# Altium PCB module_base.PcbDoc (part 1 of 4)
Units mil, origin at the board's own origin, x right, y up, seen from the top; angles counter-clockwise.
Board outline 3464.57 x 2795.28 mil, 4 copper layers (Top Layer, L2_GND, L3_PWR, Bottom Layer), stack 61.811 mil thick; 147 components, 144 nets, 753 pads, 600 vias.
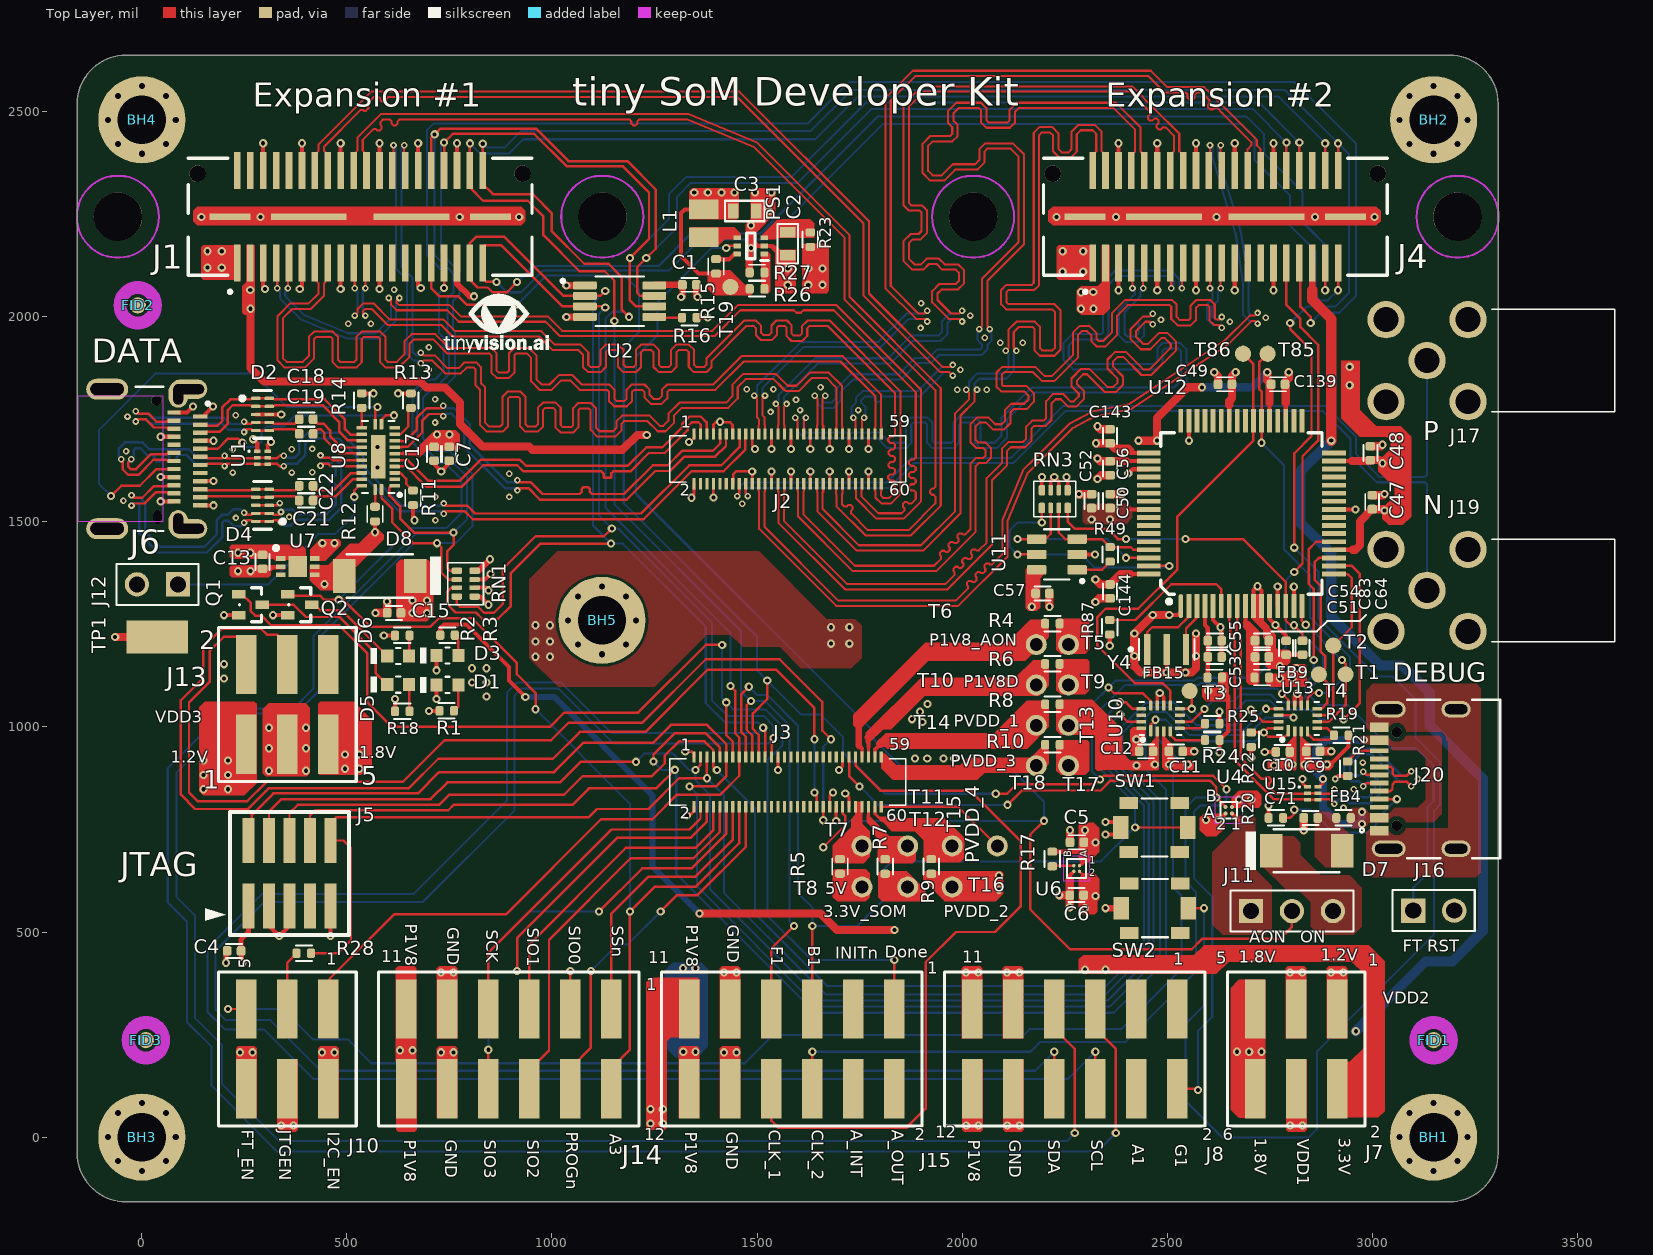
[diagram p0: Top Layer view]
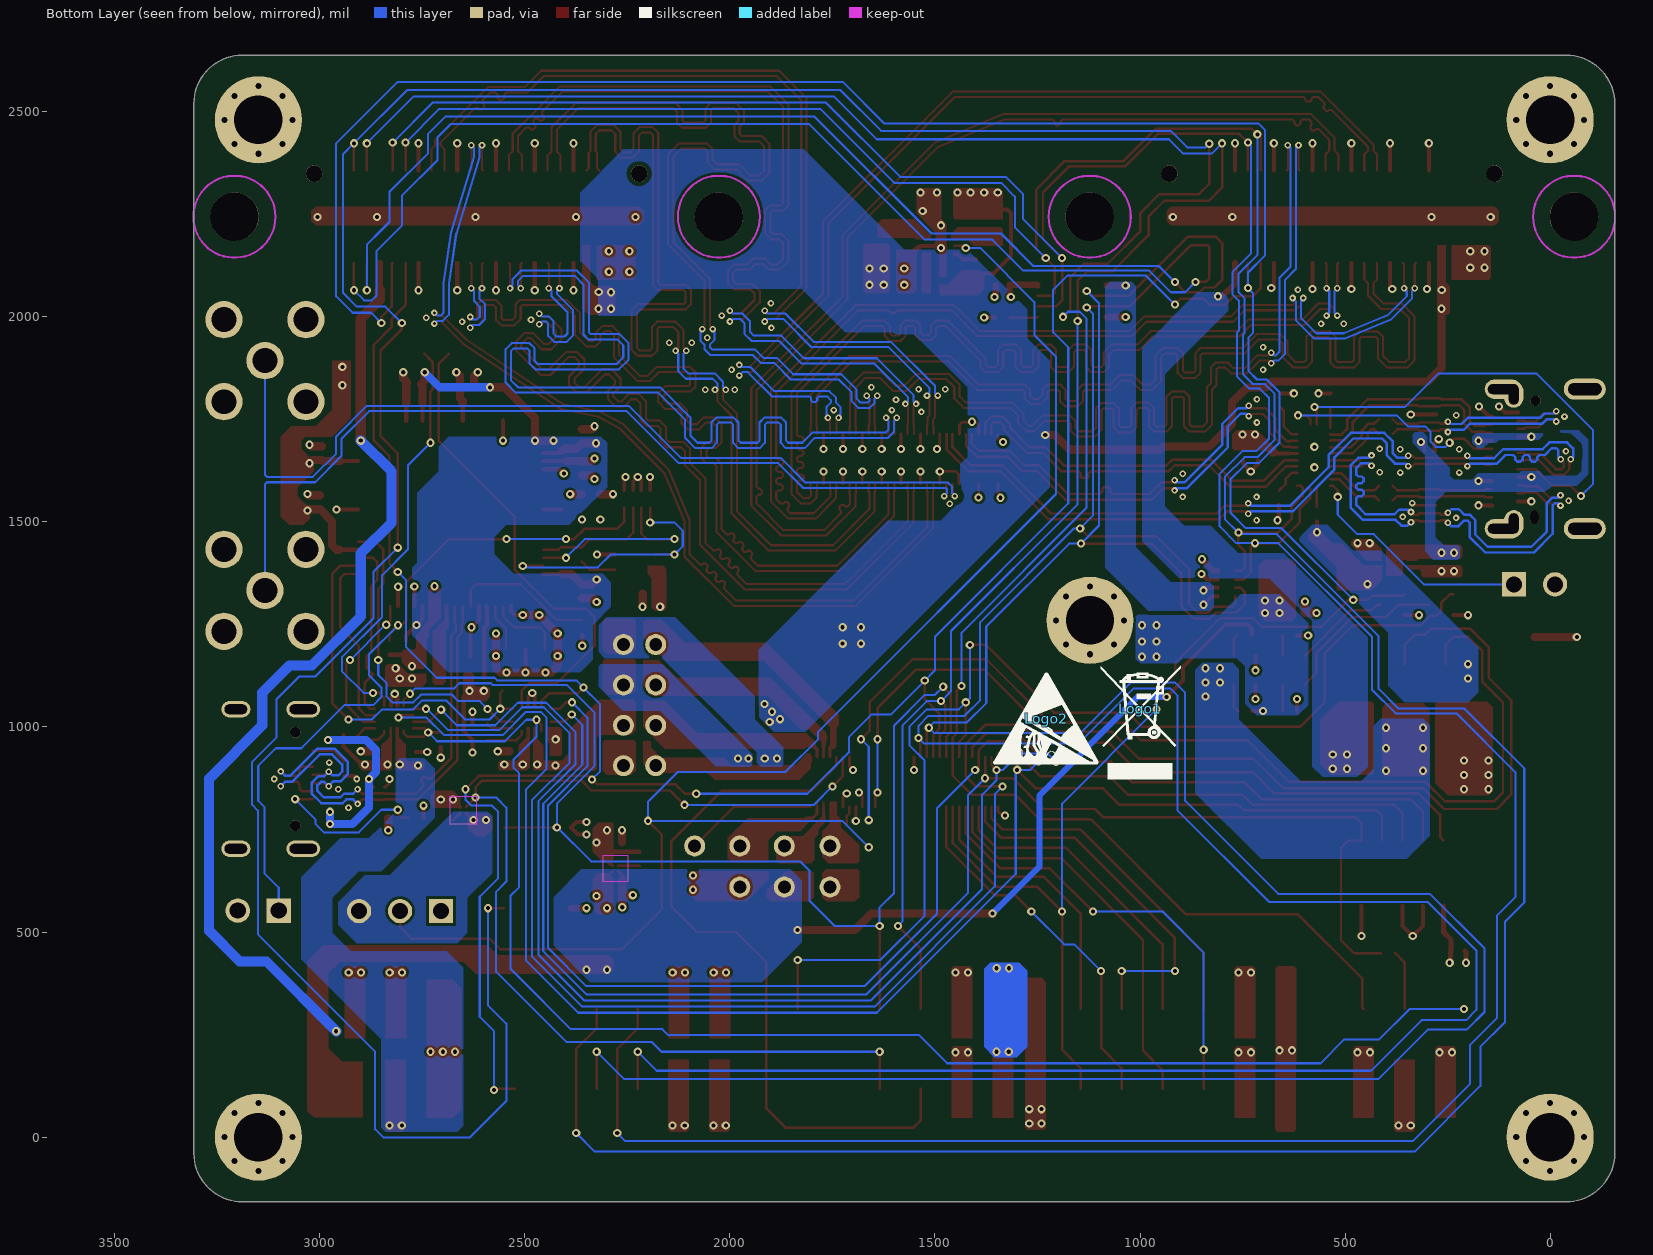
[diagram p1: Bottom Layer view, seen from below]
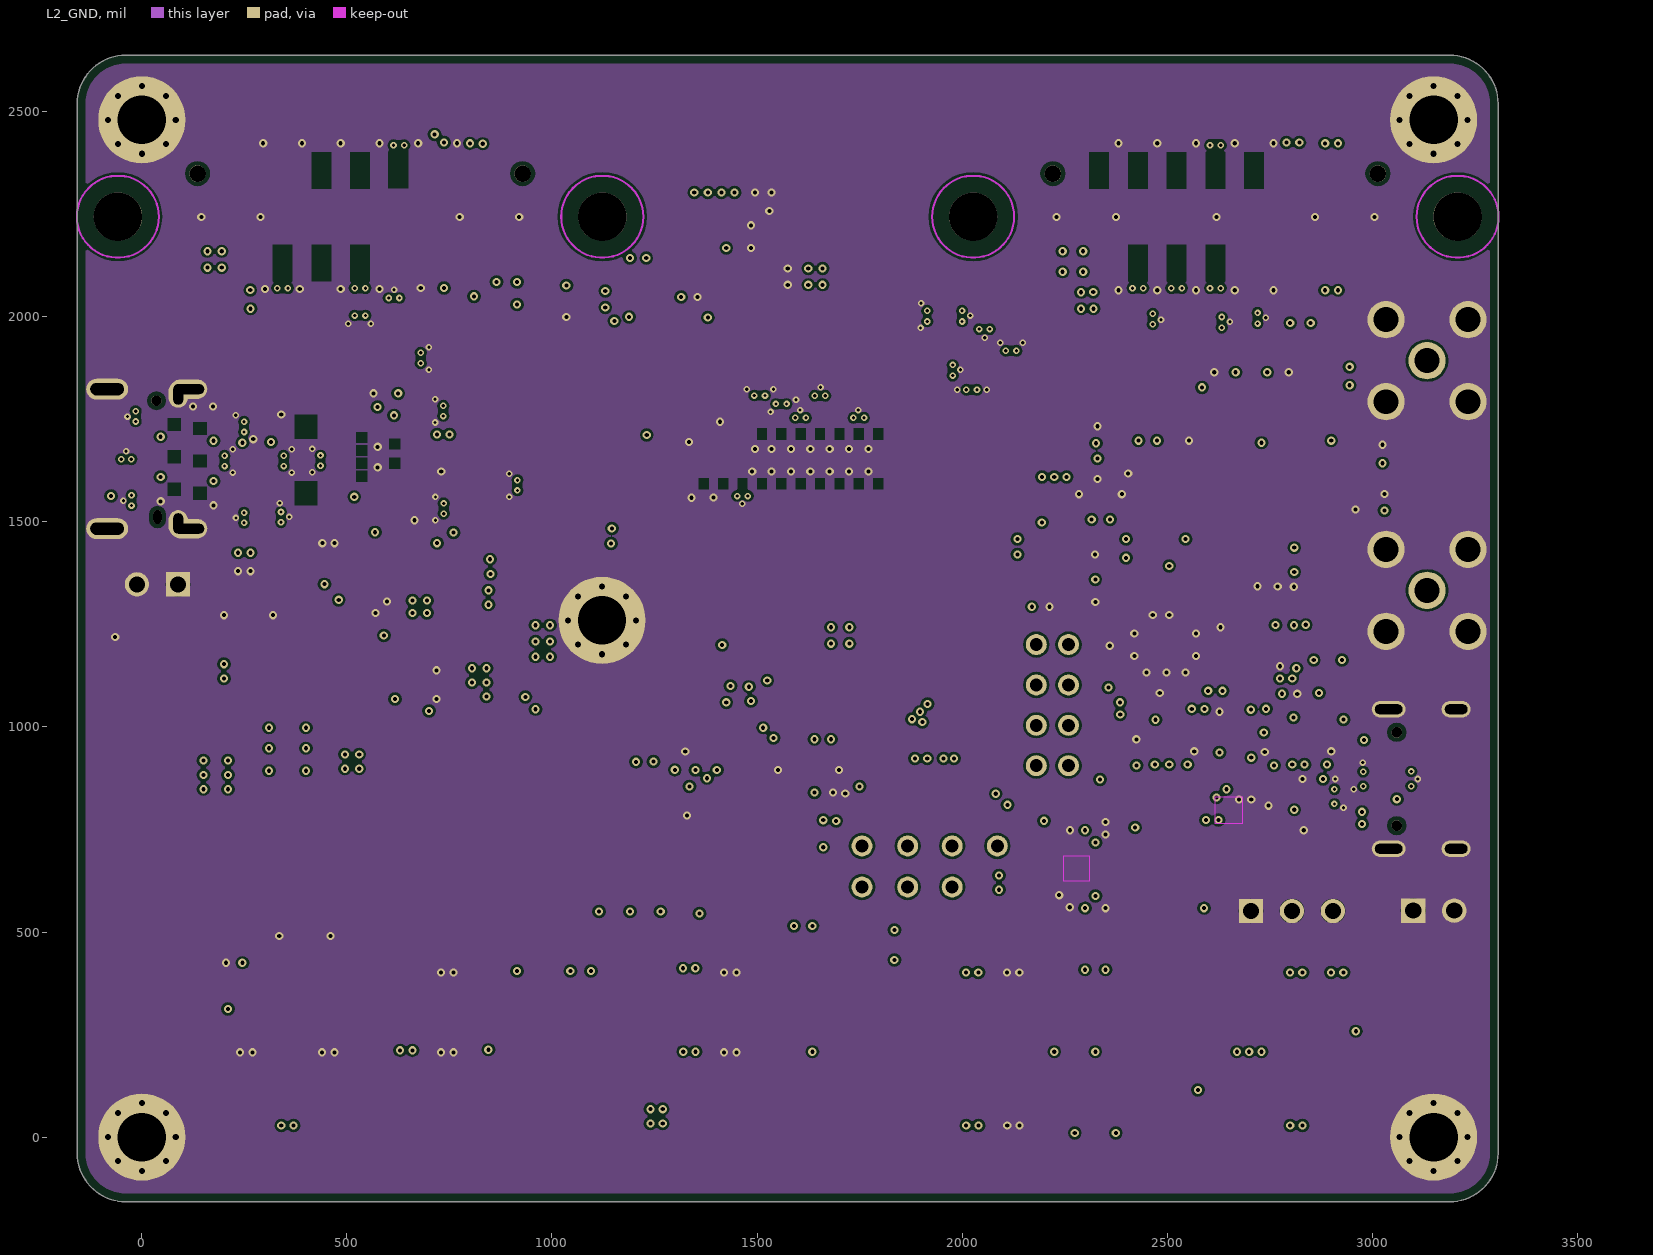
[diagram p2: L2_GND]
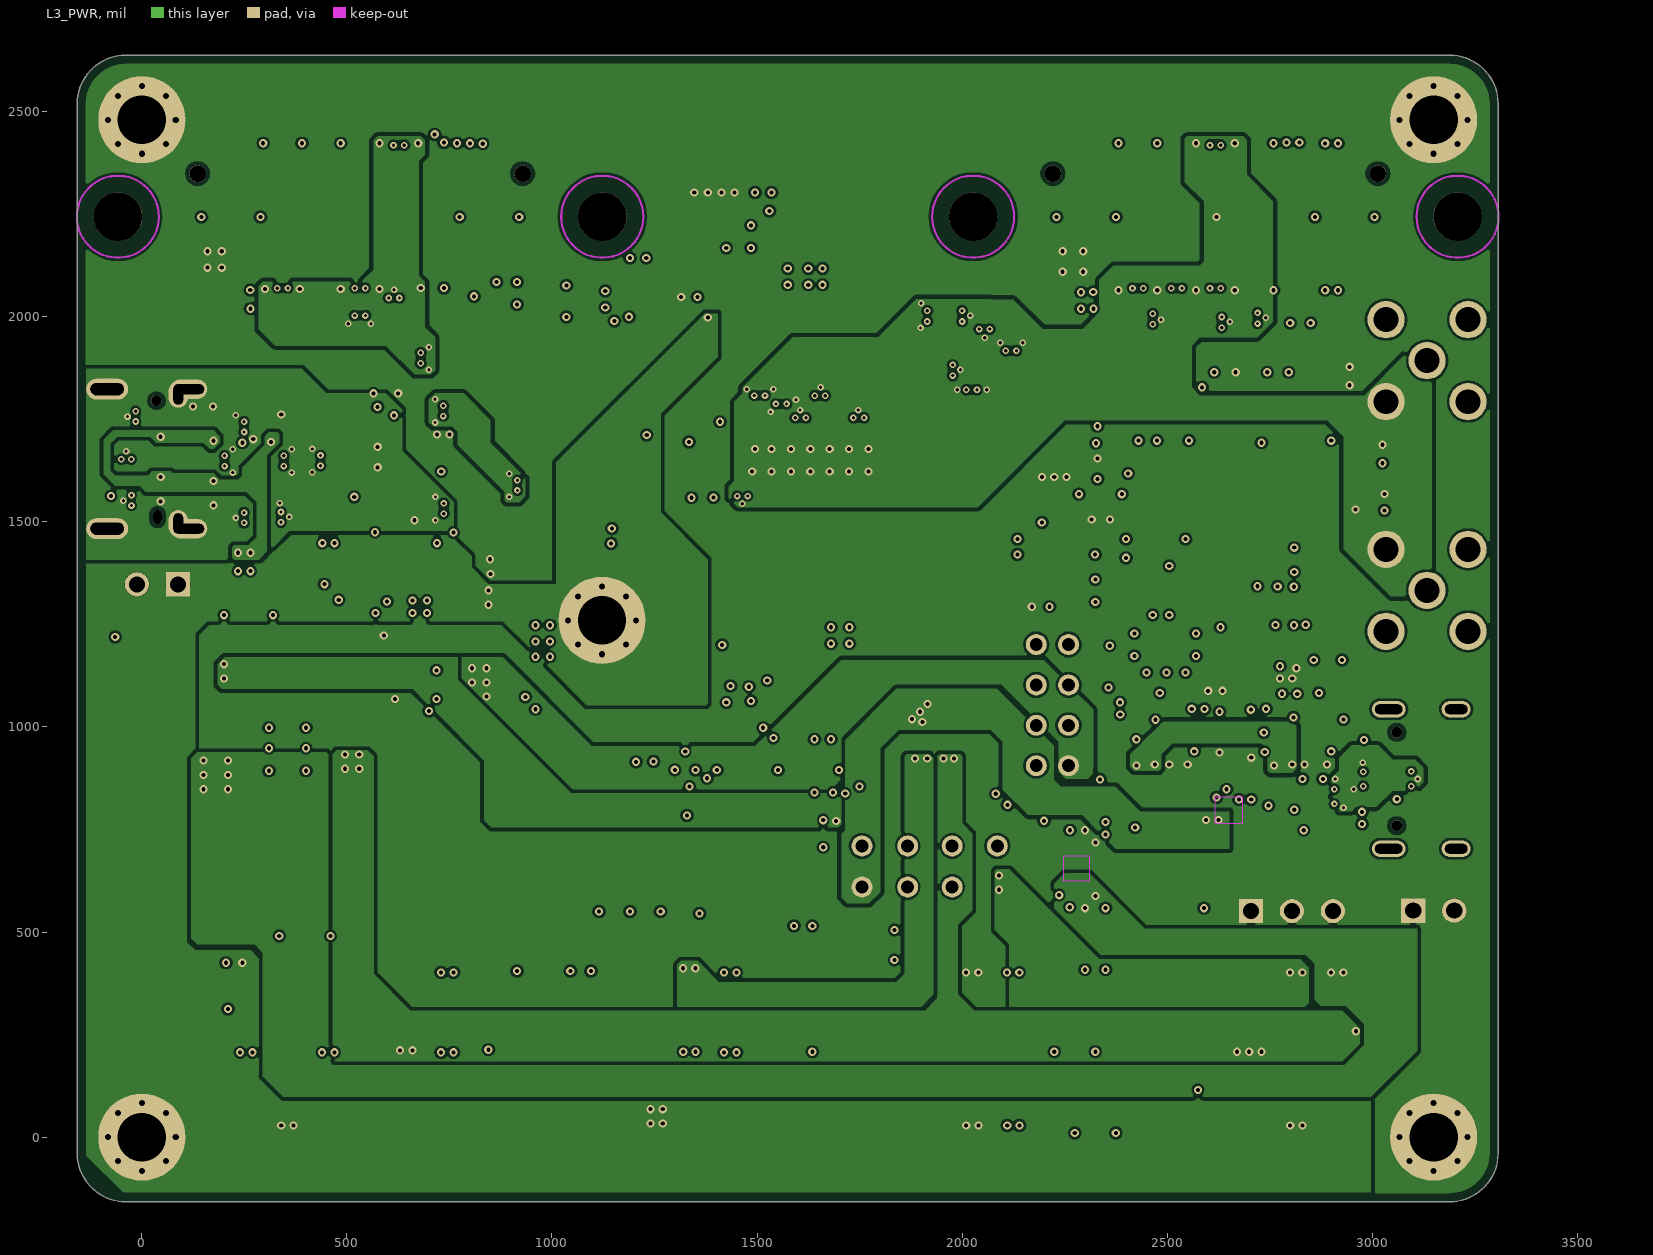
[diagram p3: L3_PWR]
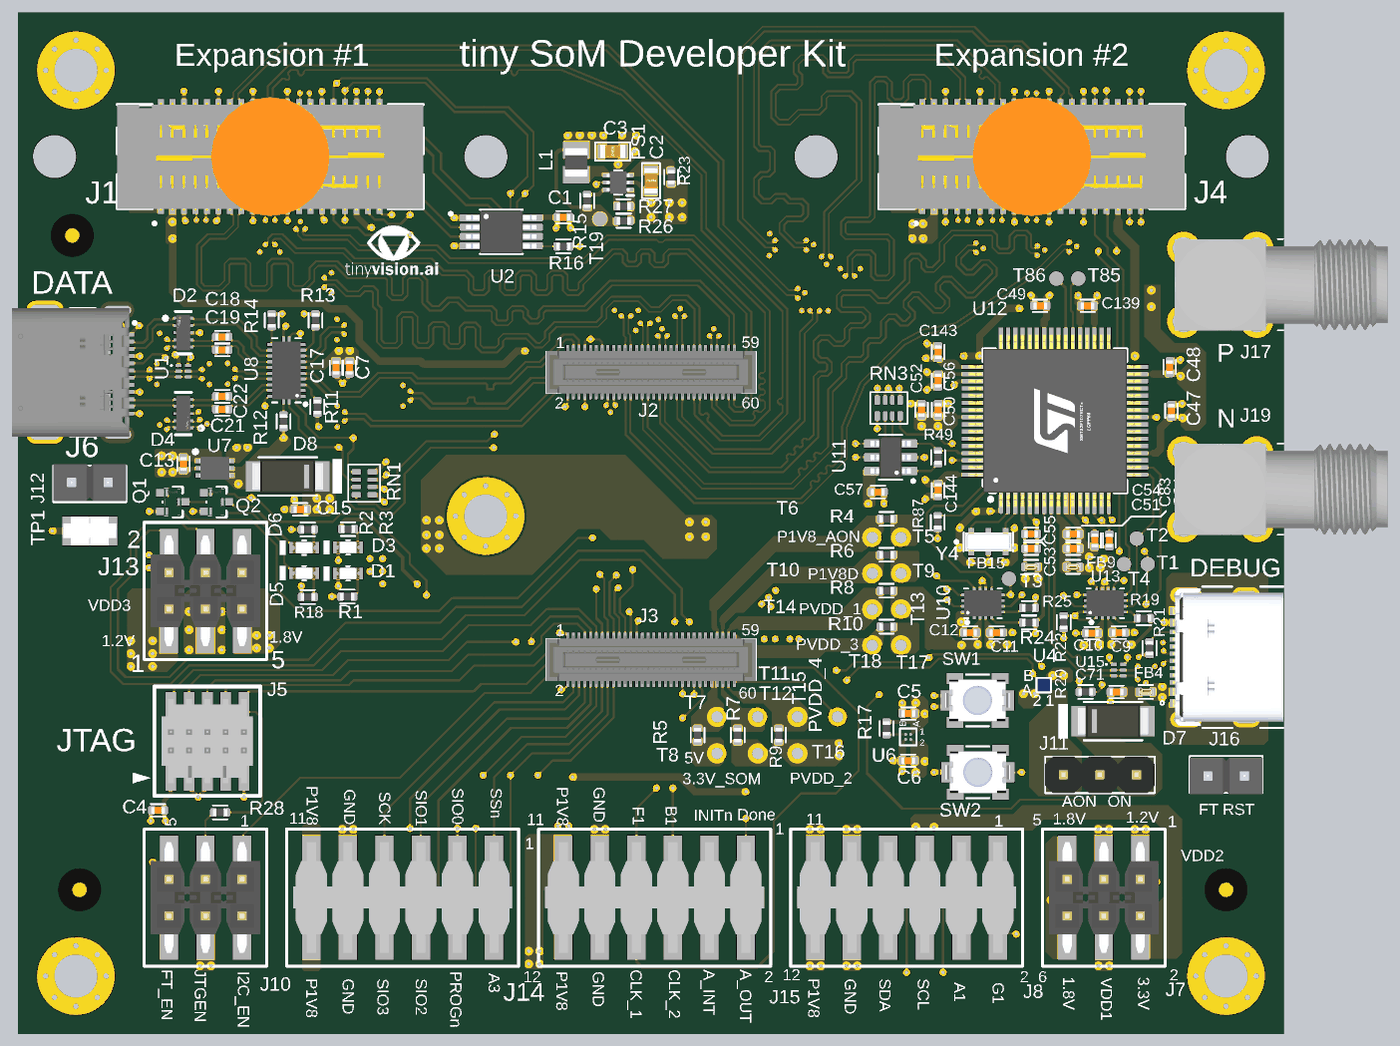
[diagram p7: 3D render of the assembled board from above, using the file's embedded part models]

## Layer stack, top to bottom
Top Solder: solder mask 0.8, Solder Resist, Dk 3.5
Top Layer: signal copper 1.378
Dielectric 2: prepreg 3.937, PP-006, Dk 4.05
L2_GND: signal copper 0.689
Dielectric 1: core 49.8031, Core-009, Dk 4.05
L3_PWR: signal copper 0.689
Dielectric 3: prepreg 3.937, PP-006, Dk 4.05
Bottom Layer: signal copper 1.378
Bottom Solder: solder mask 0.8, Solder Resist, Dk 3.5

## Board outline
-39.37,-157.48 cw(c-39.37,-39.37) -157.48,-39.37 -157.48,2519.68 cw(c-39.37,2519.68) -39.37,2637.79 3188.98,2637.8 cw(c3188.98,2519.69) 3307.09,2519.68 3307.09,-39.37 cw(c3188.98,-39.37) 3188.98,-157.48

## Design rules (kind name [scope] priority, off if disabled: settings)
Clearance Clearance_poly2diff [(IsTrack or IsArc) and InAnyDifferentialPair vs InPoly] p1: gap=20 ignorepadtopadclearanceinfootprint=TRUE
Clearance [All] p2: gap=6 ignorepadtopadclearanceinfootprint=TRUE except(10: Arc-Hole Track-Hole Fill-Fill Fill-Poly Fill-Region Fill-Hole Poly-Poly Poly-Region Poly-Hole Region-Hole)
ComponentClearance [All] p1: gap=6 collisioncheckmode=3 verticalgap=10 showdistances=FALSE
DiffPairsRouting DiffPairsRouting_90_Ohms [InDifferentialPairClass('DIFF_90OHM')] p1: maxlimit=8 minlimit=8 mostfreqgap=8 toplayer_minwidth=6 toplayer_maxwidth=6 toplayer_prefwidth=6 midlayer1_minwidth=6 midlayer1_maxwidth=6 midlayer1_prefwidth=6 midlayer2_minwidth=6 midlayer2_maxwidth=6 midlayer2_prefwidth=6 bottomlayer_minwidth=6 bottomlayer_maxwidth=6 bottomlayer_prefwidth=6 maxuncoupledlength=500
DiffPairsRouting DiffPairsRouting_100_Ohms [InDifferentialPairClass('DIFF_100OHM')] p2: maxlimit=8 minlimit=8 mostfreqgap=8 toplayer_minwidth=5 toplayer_maxwidth=5 toplayer_prefwidth=5 midlayer1_minwidth=5 midlayer1_maxwidth=5 midlayer1_prefwidth=5 midlayer2_minwidth=5 midlayer2_maxwidth=5 midlayer2_prefwidth=5 bottomlayer_minwidth=5 bottomlayer_maxwidth=5 bottomlayer_prefwidth=5 maxuncoupledlength=500
HoleSize [All] p1: absolutevalues=TRUE maxlimit=120 minlimit=1 maxpercent=80.000 minpercent=20.000
HoleToHoleClearance [All] p1: gap=8 allowstackedmicrovias=TRUE
MinimumSolderMaskSliver [All] p1: minsoldermaskwidth=1.9
PolygonConnect [All] p1: connectstyle=Direct reliefconductorwidth=10 reliefentries=4 polygonreliefangle="90 Angle" airgapwidth=10
RoomDefinition FPGA_programmer [InComponentClass('FPGA_programmer')] p1 off: confinementstyle=ConfineIn formatcopy=TRUE lockcomponents=FALSE outline 2470.8,2751.84 4995.8,2751.84 4995.8,4825.84 2470.8,4825.84
RoomDefinition Base_Module [InComponentClass('Base_Module')] p2 off: confinementstyle=ConfineIn formatcopy=TRUE lockcomponents=FALSE outline 2704.8,334.84 7619.8,334.84 7619.8,2854.84 2704.8,2854.84
RoomDefinition Miscellaneous [InComponentClass('Miscellaneous')] p3 off: confinementstyle=ConfineIn formatcopy=TRUE lockcomponents=FALSE outline 2172.8,2790.84 5273.8,2790.84 5273.8,6617.84 2172.8,6617.84
RoomDefinition Base_USB_Camera [InComponentClass('Base_USB_Camera')] p4 off: confinementstyle=ConfineIn formatcopy=TRUE lockcomponents=FALSE outline 2309.8,3473.84 5396.8,3473.84 5396.8,6713.84 2309.8,6713.84
RoutingVias [All] p1: holewidth=10 width=20 viastyle="Through Hole" minholewidth=6 minwidth=10 maxholewidth=10 maxwidth=20
ShortCircuit [isnet] p1: allowed=FALSE
SilkToSilkClearance [All] p1: silktosilkclearance=1
SilkToSolderMaskClearance [IsPad] p1: minsilkscreentomaskgap=0.1 clearancetoexposedcopper=FALSE
SolderMaskExpansion SolderMaskExpansion_via [isvia] p1: expansion=-6 istentingtop=FALSE soldermaskfromhole=TRUE
SolderMaskExpansion SolderMaskExpansion_all [All] p2: expansion=2 istentingtop=FALSE
Width [All] p1: maxlimit=40 minlimit=5 preferedwidth=6 minimp=50.000000 maximp=50.000000 favimp=50.000000
22 further rules are at their usual default settings.

## Classes and differential pairs
differential pair class DIFF_100OHM: CLK DIFF0 DIFF1 DIFF2 DIFF3 DIFF4 DIFF5 DIFF6 DIFF7 DIFF8 DIFF9 DIFF10 DIFF11 DIFF12 DIFF13 DIFF_0 DIFF_1 DIFF_2 DIFF_3 DIFF_4 DIFF_5 PB32 PB34_PCLK PB36 PB38_PCLK PB40 PB42_PCLK PB44 PB46_PCLK REFCLK
component class FPGA_programmer: C9 C10 C11 C12 C47 C48 C49 C50 C51 C52 C53 C54 C55 C56 C57 C64 C71 C83 C139 C143 C144 D7 FB4 FB9 FB15 J16 J20 R19 R20 R21 R22 R24 R25 R49 R87 RN3 T1 T2 T3 T4 T85 T86 U10 U11 U12 U13 U15 Y4
component class Base_USB_Camera: C1 C7 C13 C15 C17 C18 C19 C21 C22 D2 D4 D8 J1 J4 J6 J12 R11 R12 R13 R14 R16 RN1 U1 U2 U7 U8
net class PWR: GND P1V8D P3V3D
differential pair class DIFF_90OHM: DEBUG_USB RX1 RX2 SS_RX SS_RX1 SS_RX2 SS_TX SS_TX1 SS_TX2 USB2
component class Base_Module: 1 BH1 BH2 BH3 BH4 BH5 BH? C2 C3 C4 C5 C6 D1 D3 D5 D6 FID1 FID2 FID3 FID? J2 J3 J5 J7 J8 J10 J11 J13 J14 J15 J17 J19 L1 Logo1 Logo2 P2 P3 P4 PS1 PVDD_4 Q1 Q2 R1 R2 R3 R4 R5 R6 R7 R8 R9 R10 R15 R17 R18 R23 R26 R27 R28 SW1 SW2 T5 T6 T7 T8 T9 T10 T11 T12 T13 T14 T15 T16 T17 T18 T19 TP1 U4 U6
differential pair DIFF11: +DIFF11_P -DIFF11_N
differential pair DIFF13: +DIFF13_P -DIFF13_N
differential pair DIFF12: +DIFF12_P -DIFF12_N
differential pair DIFF11: +DIFF2_P -DIFF2_N
differential pair DIFF10: +DIFF10_P -DIFF10_N
differential pair DIFF9: +DIFF9_P -DIFF9_N
differential pair DIFF8: +DIFF8_P -DIFF8_N
differential pair DIFF7: +DIFF7_P -DIFF7_N
differential pair DIFF6: +DIFF6_P -DIFF6_N
differential pair DIFF5: +DIFF5_P -DIFF5_N
differential pair DIFF4: +DIFF4_P -DIFF4_N
differential pair DIFF3: +DIFF3_P -DIFF3_N
differential pair DIFF2: +DIFF2_P -DIFF2_N
differential pair DIFF1: +DIFF1_P -DIFF1_N
differential pair DIFF0: +DIFF0_P -DIFF0_N
differential pair RX2: +RX2_P -RX2_N
differential pair RX1: +RX1_P -RX1_N
differential pair DEBUG_USB: +DEBUG_USB_P -DEBUG_USB_N
differential pair USB2: +USB2_P -USB2_N
differential pair SS_TX: +SS_TX_P -SS_TX_N
differential pair SS_TX2: +SS_TX2_P -SS_TX2_N
differential pair SS_TX1: +SS_TX1_P -SS_TX1_N
differential pair SS_RX: +SS_RX_P -SS_RX_N
differential pair SS_RX2: +SS_RX2_P -SS_RX2_N
differential pair SS_RX1: +SS_RX1_P -SS_RX1_N
differential pair REFCLK: +REFCLK_P -REFCLK_N
differential pair PB46_PCLK: +"" -""
differential pair PB44: +"" -""
differential pair PB42_PCLK: +"" -""
differential pair PB40: +"" -""
differential pair PB38_PCLK: +"" -""
differential pair PB36: +"" -""
differential pair PB34_PCLK: +"" -""
differential pair PB32: +"" -""
differential pair DIFF_5: +"" -""
differential pair DIFF_4: +"" -""
differential pair DIFF_3: +"" -""
differential pair DIFF_2: +"" -""
differential pair DIFF_1: +"" -""
differential pair DIFF_0: +"" -""
differential pair CLK: +"" -""
